# Allegro board nu_2000_main_211102_02.brd (continued)
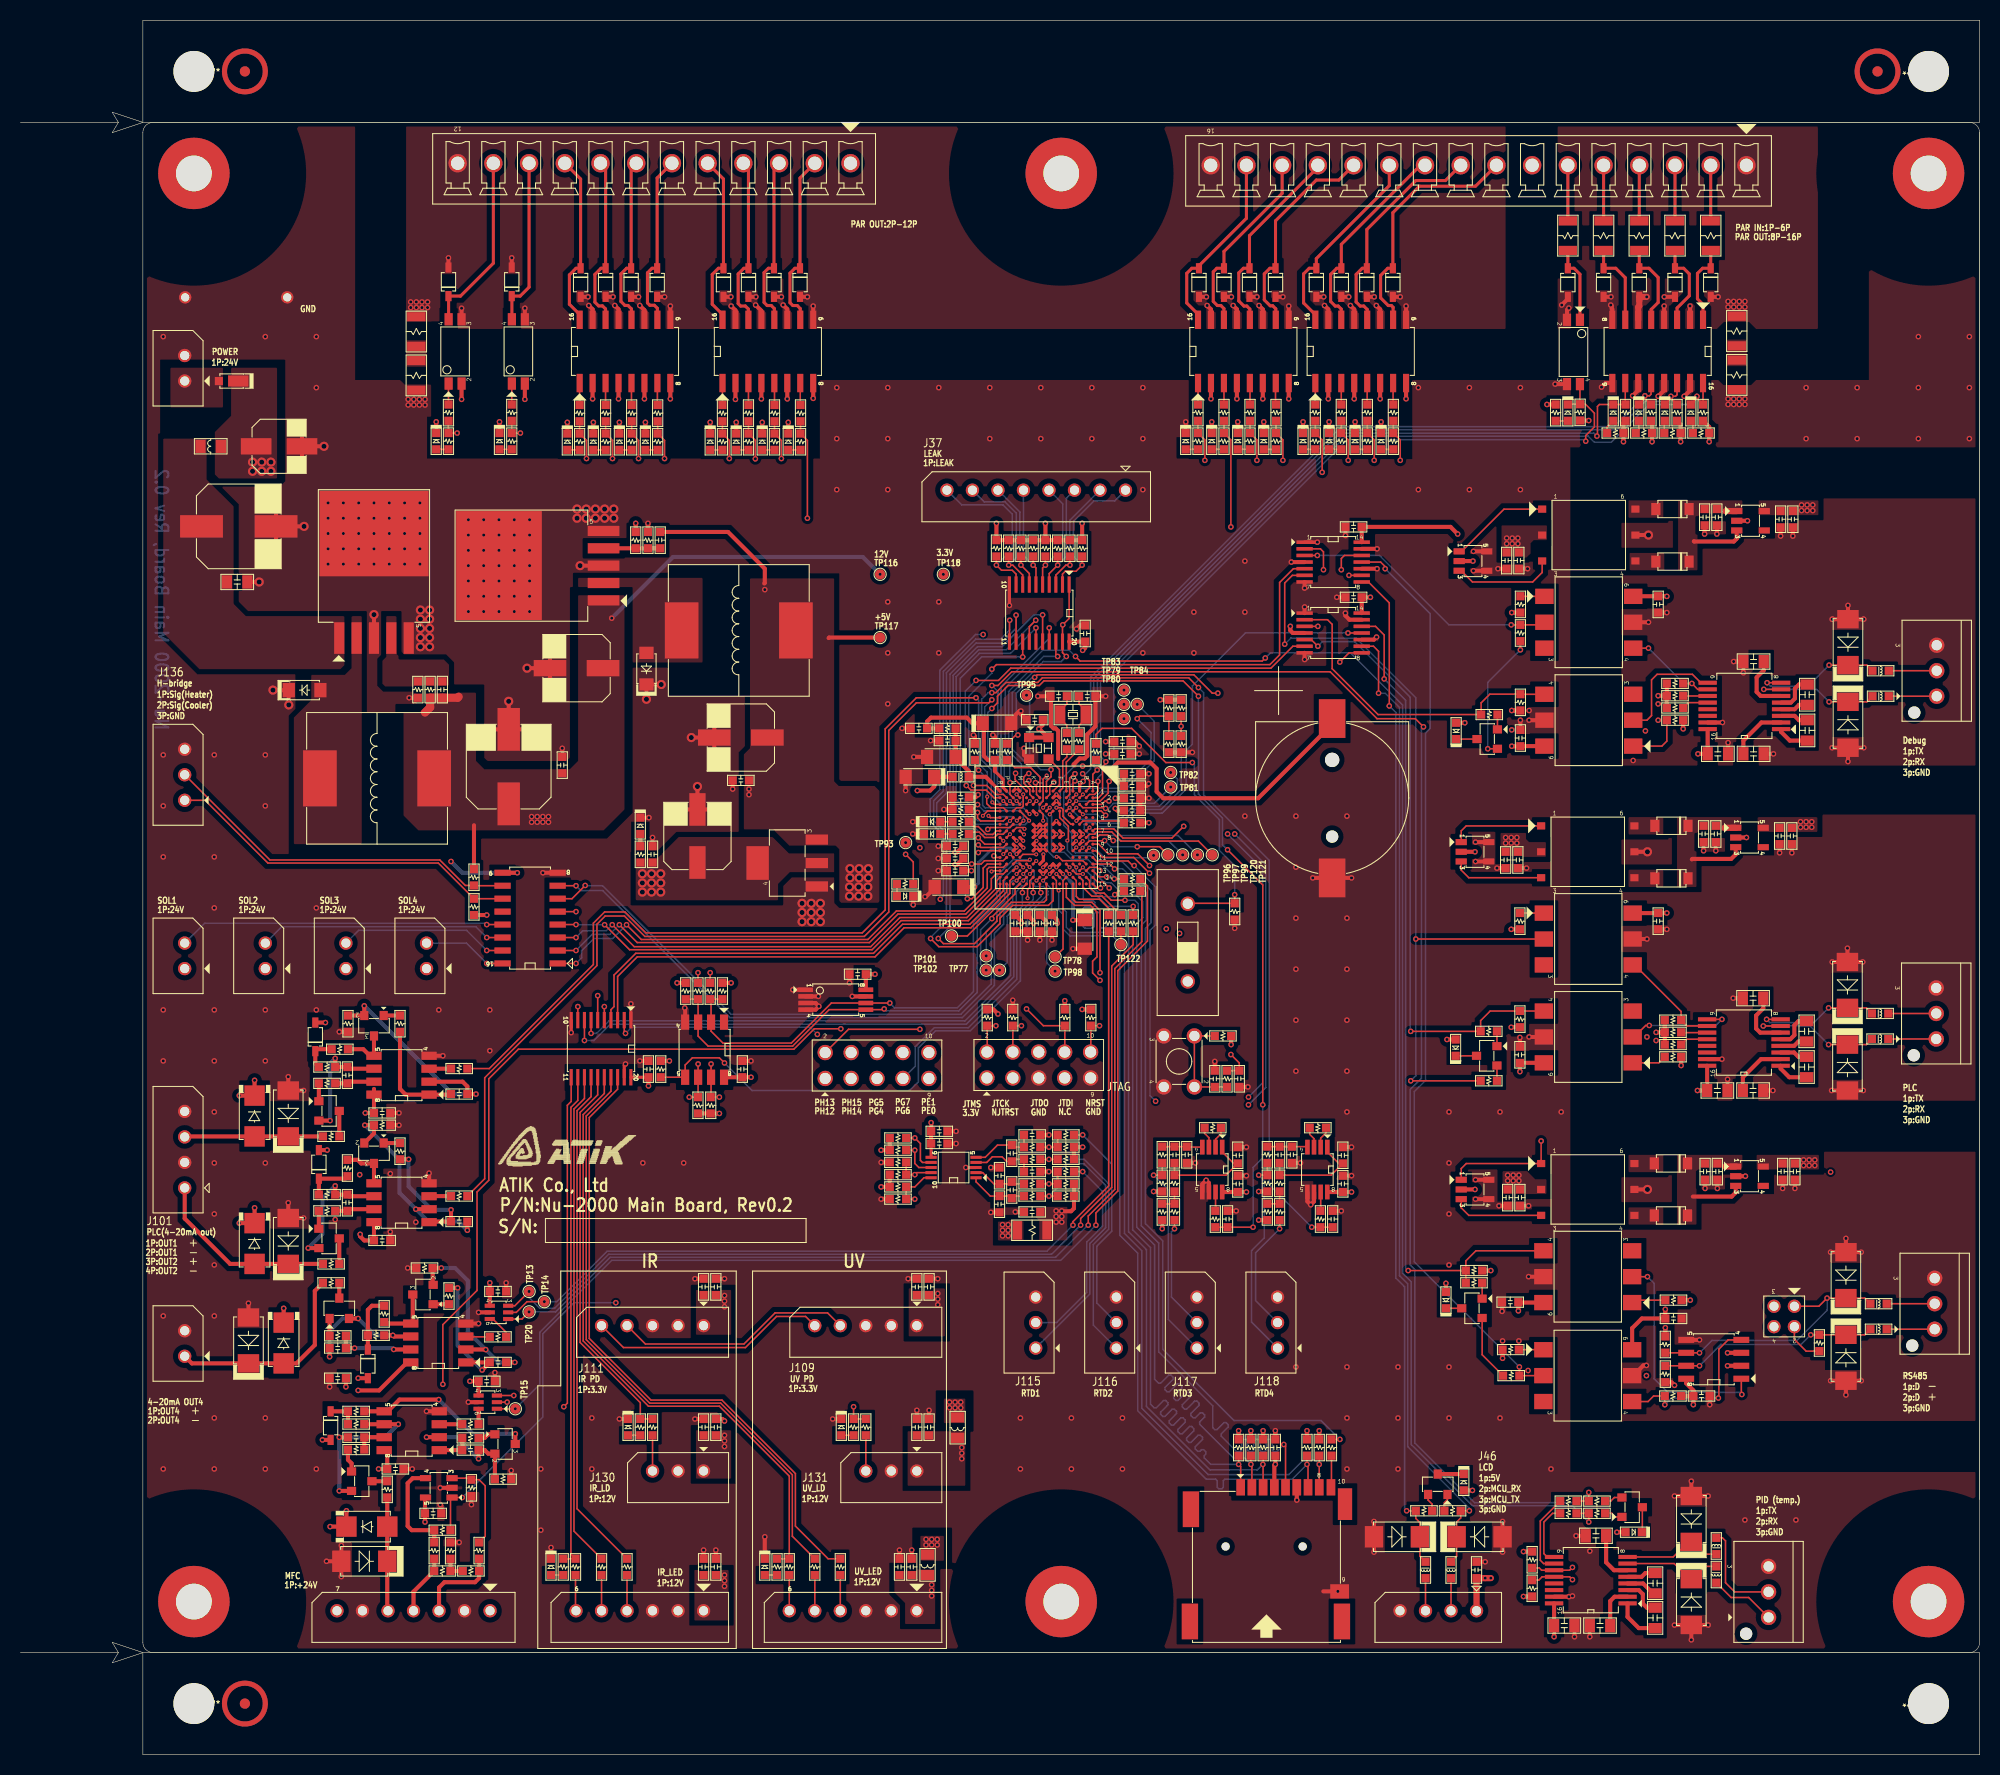
[diagram p0: board, top side]
## Routing (per net, layer and track width the routed paths; a pad name or vN(x,y) marks a point on that pad's centre or on a via; arc(x,y) is an arc through that point) (continued)
RS232_TX1_5V: length 26.4
  TOP w0.15: U112.2 149.1,110.75 R363.2 v1(146.1,110.75) ; U87.3 v1(127.1,117.55)
  BOTTOM w0.15: v1(127.1,117.55) 133.2,117.55 140,110.75 v1(146.1,110.75)
RS232_TX2: length 55.2
  TOP w0.15: U1.P2 96.33,94.12 95.58,94.12 94.7,95 v1(93.4,95) ; v1(95.2,106.4) 95.65,106.85 122.45,106.85 123.4,107.8 123.4,114.9 124.75,116.25 U87.5
  BOTTOM w0.15: v1(93.4,95) 92.95,95.45 92.95,103.75 95.2,106 v1(95.2,106.4)
RS232_TX2_5V: length 80.9
  TOP w0.15: U87.6 124.65,115.6 123.9,114.85 v1(123.9,108.85) ; v1(136.75,79.95) U116.2 ; R367.2 v1(136.25,66.05)
  BOTTOM w0.15: v1(136.25,66.05) 136.75,66.55 v1(136.75,79.95) 136.75,103.6 130.9,109.45 124.5,109.45 v1(123.9,108.85)
RS232_TX3: length 73.1
  TOP w0.15: U1.R12 94.75,87.3 94.35,86.9 94.35,85 93.25,83.9 v1(92.8,83.9) ; U87.9 v1(130.2,115.6)
  L3-INT1 w0.15: v1(113.6,80.5) 112.7,81.4 112.7,88.45 129.9,105.65 129.9,109.3 128.4,110.8 128.4,113.8 v1(130.2,115.6)
  L4-INT2 w0.15: v1(113.6,80.5) 107.05,80.5 104.15,83.4 93.3,83.4 v1(92.8,83.9)
RS232_TX3_5V: length 99.5
  TOP w0.15: v1(135.85,23.9) R355.2 136.75,23.15 137.15,22.75 D88.2 137.15,19.45 L12.1 ; U87.8 132.1,114.95 134.15,112.9 v1(134.15,102.8)
  BOTTOM w0.15: v1(134.15,102.8) 134.8,102.15 134.8,46.7 135.65,45.85 135.65,24.1 v1(135.85,23.9)
RS232_TX4: length 150.5
  TOP w0.15: U1.N3 v2(96.97,93.47) ; v1(137.5,100.75) 136.7,101.55 132.95,101.55 128.35,106.15 97.15,106.15 95.8,104.8 v1(95.2,104.8) ; v1(153.7,25.7) R359.2 R46.1
  BOTTOM w0.15: v1(153.7,25.7) 152.7,24.7 142.5,24.7 136.65,30.55 136.65,47.55 136.2,48 136.2,65.2 137.3,66.3 137.3,100.55 v1(137.5,100.75) ; v1(95.2,104.8) 95.8,104.2 95.8,97.9 96.1,97.6 96.1,94.35 v2(96.97,93.47)
RS485_RX: length 44
  TOP w0.15: U88.11 v1(130.1,109.95) ; U1.C10 v2(104.1,88.9)
  BOTTOM w0.15: v2(104.1,88.9) 104.7,89.5 104.7,90.25 104.25,90.7 104.25,91.2 104.4,91.35 105.3,91.35 105.7,90.95 108,90.95 109.35,92.3 111.9,92.3 114.25,94.65 114.25,98.45 114.85,99.05 114.85,104.75 120.05,109.95 v1(130.1,109.95)
RS485_RX_5V: length 81.6
  TOP w0.15: U121.4 142.64,49.39 141.65,48.4 R474.2 ; U88.12 132.8,110.6 133.65,109.75 v1(133.65,105.45) ; R474.2 v1(136,47.45) ; R474.2 R372.2
  BOTTOM w0.15: v1(133.65,105.45) 135.75,103.35 135.75,47.7 v1(136,47.45)
RS485_TX: length 45.2
  TOP w0.15: U1.A7 105.3,90.75 107.15,90.75 108.05,89.85 112.85,89.85 v1(114,91) ; v1(129.45,116.15) 129.45,117.25 129.75,117.55 U87.12
  L3-INT1 w0.15: v1(129.45,116.15) 128.05,114.75 128.05,110.7 128.75,110 128.75,105.75 v1(114,91)
RS485_TX_5V: length 90.9
  TOP w0.15: U120.2 R371.2 v1(146.9,38) ; v1(133.75,116.25) 133.75,116.45 133.3,116.9 U87.11
  BOTTOM w0.15: v1(146.9,38) 136.6,48.3 136.6,65 137.7,66.1 137.7,100.15 138.15,100.6 138.15,111.85 v1(133.75,116.25)
RSVD_1: length 12.1
  TOP w0.15: R39.1 v1(102.85,116.6) 102.45,116.6 101.47,115.62 U7.3
  BOTTOM w0.15: v1(102.85,116.6) 102.85,121 J37.2
RSVD_2: length 11.1
  TOP w0.15: R38.1 v1(101.65,116.6) 100.83,115.78 U7.4
  BOTTOM w0.15: v1(101.65,116.6) 102.5,117.45 102.5,123.15 J37.3
RSVD_3: length 11.5
  TOP w0.15: R37.1 v1(100.45,116.6) 100.17,116.33 U7.5
  BOTTOM w0.15: J37.4 102.15,122.6 102.15,118.3 v1(100.45,116.6)
RSVD_4: length 10.6
  TOP w0.15: U7.6 99.53,116.33 v1(99.25,116.6) R36.1
  BOTTOM w0.15: v1(99.25,116.6) 98.3,117.55 J37.5
RSVD_5: length 14.2
  TOP w0.15: R34.1 v1(96.85,116.6) 97.25,116.6 98.22,115.62 U7.8
  BOTTOM w0.15: v1(96.85,116.6) 97.6,117.35 97.6,121.7 96.5,122.8 94.45,122.8 J37.7
RSVD_6: length 17.2
  TOP w0.15: 97.58,114.7 97.58,115.72 97.2,116.1 96.15,116.1 v1(95.65,116.6) R33.1
  BOTTOM w0.15: J37.8 92.25,122.5 96.3,122.5 97.2,121.6 97.2,118.15 v1(95.65,116.6)
RTD_SCK: length 88.9
  TOP w0.15: R157.1 v1(87.65,59.25) 87.65,57.95 88.05,57.55 U44.8 ; U1.H4 v2(100.88,92.83)
  L3-INT1 w0.15: v1(87.65,59.25) 87.1,59.8 87.1,62.02 88.18,63.1 119,63.1 v1(120.35,64.45)
  L4-INT2 w0.15: v1(118.3,90.25) 117.7,89.65 110.52,89.65 108.62,91.55 104.3,91.55 103.75,91 102.7,91 v2(100.88,92.83)
  BOTTOM w0.15: v1(118.3,90.25) 121.75,86.8 121.75,65.85 v1(120.35,64.45)
RTD_SDA: length 89.7
  TOP w0.15: v2(100.22,91.55) 100.22,92.17 U1.J4 ; U44.7 88.4,58.05 88.2,58.25 88.2,59.9 v1(87.65,60.45) R156.1
  L3-INT1 w0.15: v1(87.65,60.45) 87.65,62.15 88.3,62.8 119.45,62.8 v1(120.35,63.7)
  L4-INT2 w0.15: v2(100.22,91.55) 101.12,90.65 103.9,90.65 104.5,91.25 108.5,91.25 110.45,89.3 118.05,89.3 v1(119,90.25)
  BOTTOM w0.15: v1(120.35,63.7) 122.05,65.4 122.05,87.2 v1(119,90.25)
RX1: length 12.9
  TOP w0.15: L9.1 180.95,106.8 D84.2 v1(177.25,106.8) ; U106.8 v1(171.18,105.08)
  BOTTOM w0.15: v1(177.25,106.8) 175.2,104.75 171.5,104.75 v1(171.18,105.08)
RX2: length 12.7
  TOP w0.15: v1(177.2,73.2) D86.2 180.9,73.2 L11.1 ; 172.5,72.08 v1(171.12,72.08)
  BOTTOM w0.15: v1(171.12,72.08) 171.45,71.75 175.75,71.75 v1(177.2,73.2)
RX4: length 9.8
  TOP w0.15: L15.1 165.1,19.65 163.9,20.85 D90.2 163.45,20.85 161.97,19.38 U19.8
SD_CLK: length 82.8
  TOP w0.15: J33.5 123.98,30.23 v1(123.81,30.4) ; v1(107.22,86.83) 106.75,87.3 U1.A12
  BOTTOM w0.15: v1(107.22,86.83) 108.03,86.83 110.35,84.5 110.35,81.8 109.85,81.3 109.85,51.85 111.55,50.15 111.55,39.48 116.85,34.19 116.85,32.05 117.05,31.85 117.26,31.85 117.95,32.54 118.16,32.54 118.37,32.33 118.37,32.12 117.68,31.43 117.68,31.22 119.2,29.7 119.53,29.7 119.68,29.85 119.68,30.75 119.83,30.9 120.13,30.9 120.28,30.75 120.28,29.85 120.43,29.7 120.73,29.7 120.88,29.85 120.88,30.75 121.03,30.9 121.33,30.9 121.48,30.75 121.48,29.85 121.63,29.7 121.93,29.7 122.08,29.85 122.08,30.75 122.23,30.9 122.53,30.9 122.68,30.75 122.68,29.85 122.83,29.7 123.11,29.7 v1(123.81,30.4)
SD_CMD: length 82.8
  TOP w0.15: J33.3 121.78,28.43 v1(121.76,28.45) 121.78,28.48 R15.1 ; U1.D12 v2(103.47,86.97)
  BOTTOM w0.15: v2(103.47,86.97) 103.47,86.38 104.15,85.7 104.15,83.83 104.3,83.68 105.15,83.68 105.3,83.53 105.3,83.23 105.15,83.08 104.3,83.08 104.15,82.93 104.15,81.17 104.3,81.03 105.07,81.03 105.22,81.17 105.22,82.4 105.37,82.55 105.67,82.55 105.82,82.4 105.82,81.17 105.97,81.03 106.27,81.03 106.42,81.17 106.42,82.4 106.57,82.55 106.87,82.55 107.02,82.4 107.02,81.17 107.17,81.03 107.67,81.03 108.6,80.1 108.6,51.25 110.35,49.5 110.35,34.13 116.58,27.9 121.21,27.9 v1(121.76,28.45)
SD_D0: length 82.8
  TOP w0.15: J33.7 126.19,28.35 v1(126.08,28.45) R16.1 ; v2(101.75,84.7) 101.53,84.92 101.53,85.67 U1.G14
  BOTTOM w0.15: v2(101.75,84.7) 101.75,82.8 102.15,82.4 102.15,80.95 102.85,80.25 107.05,80.25 107.75,79.55 107.75,50.9 109.5,49.15 109.5,33.7 116.2,27 117.13,27 117.28,26.85 117.28,26.2 117.43,26.05 117.73,26.05 117.88,26.2 117.88,26.85 118.03,27 124.64,27 v1(126.08,28.45)
SD_D1: length 82.8
  TOP w0.15: J33.8 v1(127.28,28.45) R17.1 ; U1.F14 v2(101.53,86.33)
  BOTTOM w0.15: v2(101.53,86.33) 102.17,85.67 102.17,82.92 102.5,82.6 102.5,81.1 103,80.6 107.4,80.6 108.2,79.8 108.2,51.1 109.9,49.4 109.9,33.95 116.4,27.45 124.3,27.45 125.75,28.9 126.83,28.9 v1(127.28,28.45)
SD_D2: length 82.8
  TOP w0.15: J33.1 119.58,28.25 v1(119.39,28.45) R13.1 ; v1(108.25,83.75) 106.9,83.75 106.2,84.45 105.38,84.45 104.78,85.05 104.78,85.67 U1.B14
  BOTTOM w0.15: v1(108.25,83.75) 109.2,83.75 109.55,83.4 109.55,82.25 109,81.7 109,51.45 110.75,49.7 110.75,34.35 111.1,34 111.32,34 112.03,34.71 112.24,34.71 112.45,34.5 112.45,34.29 111.74,33.57 111.74,33.36 111.95,33.15 112.16,33.15 112.88,33.86 113.09,33.86 113.3,33.65 113.3,33.44 112.59,32.72 112.59,32.51 112.8,32.3 113.01,32.3 113.73,33.01 113.94,33.01 114.15,32.8 114.15,32.59 113.44,31.88 113.44,31.66 113.65,31.45 113.86,31.45 114.57,32.16 114.79,32.16 115,31.95 115,31.74 114.29,31.03 114.29,30.81 114.5,30.6 114.71,30.6 115.42,31.32 115.63,31.32 115.85,31.1 115.85,30.89 115.13,30.18 115.13,29.97 115.37,29.73 115.58,29.73 115.75,29.89 115.96,29.89 116.17,29.68 116.17,29.47 116.01,29.31 116.01,29.09 116.65,28.45 v1(119.39,28.45)
SD_D3: length 82.9
  TOP w0.15: R14.1 v1(120.58,28.45) 120.69,28.35 J33.2 ; U1.B13 104.78,86.97 105.47,86.97 v1(105.78,86.67)
  BOTTOM w0.15: v1(120.58,28.45) 119.94,29.1 118.85,29.1 115.56,32.39 115.56,32.6 116.05,33.09 116.05,33.3 115.84,33.51 115.63,33.51 115.14,33.02 114.93,33.02 114.72,33.23 114.72,33.45 115.5,34.23 115.5,34.45 115.29,34.66 115.08,34.66 114.29,33.87 114.08,33.87 113.87,34.08 113.87,34.29 114.66,35.08 114.66,35.29 114.44,35.51 114.23,35.51 113.44,34.72 113.23,34.72 113.02,34.93 113.02,35.14 113.81,35.93 113.81,36.14 113.59,36.36 113.38,36.36 112.59,35.57 112.38,35.57 112.17,35.78 112.17,35.99 112.96,36.78 112.96,36.99 112.75,37.2 112.53,37.2 111.75,36.42 111.53,36.42 111.15,36.8 111.15,49.95 109.4,51.7 109.4,81.45 110,82.05 110,83.6 109.3,84.3 108.05,84.3 106.9,85.45 106.25,85.45 105.78,85.92 v1(105.78,86.67)
SD_DETECT: length 85.7
  TOP w0.15: U1.D1 103.15,95.25 v1(103.35,95.45) ; R24.2 v1(129.31,30.9)
  BOTTOM w0.15: v1(103.35,95.45) 102.25,94.35 102.25,91.1 103.05,90.3 103.05,88.75 103.4,88.4 105.05,88.4 105.9,87.55 107.95,87.55 110.8,84.7 110.8,81.55 110.25,81 110.25,52.05 111.95,50.35 111.95,39.73 118.94,32.75 127.46,32.75 v1(129.31,30.9)
SOL_1: length 50.7
  TOP w0.15: v1(59.4,81.35) 60.85,79.9 83.05,79.9 85.85,82.7 92.5,82.7 94.75,84.95 94.75,86.8 94.92,86.97 96.33,86.97 U1.P12 ; U14.1 v1(54.45,77.56)
  BOTTOM w0.15: v1(59.4,81.35) 58.05,80 56.2,80 55,78.8 55,78.11 v1(54.45,77.56)
SOL_2: length 49.2
  TOP w0.15: U1.P13 96.33,86.33 95.62,86.33 95.15,85.85 95.15,84.9 92.65,82.4 86,82.4 83.2,79.6 60.45,79.6 v1(58.7,81.35) ; U14.2 v1(54.45,78.83)
  BOTTOM w0.15: v1(54.45,78.83) 56.02,80.4 57.75,80.4 v1(58.7,81.35)
SOL_3: length 48
  TOP w0.15: v1(58,81.35) 60.15,79.2 83.34,79.2 86.19,82.05 92.75,82.05 95.65,84.95 95.65,85.65 U1.R14 ; U14.3 v1(54.45,80.09)
  BOTTOM w0.15: v1(58,81.35) 57.4,80.75 55.1,80.75 v1(54.45,80.09)
SOL_4: length 47.3
  TOP w0.15: U14.4 v1(54.45,81.36) ; v1(57.25,81.35) 59.7,78.9 83.46,78.9 86.31,81.75 92.9,81.75 96,84.85 U1.R15
  BOTTOM w0.15: v1(54.45,81.36) 54.47,81.35 v1(57.25,81.35)
SPI_MOSI: length 105.4
  TOP w0.15: v1(49.85,45.4) 48.45,44 U12.3 ; v1(103.9,51.9) 103.9,52.55 106.95,55.6 106.95,77.3 109.05,79.4 R495.2 ; U9.3 v1(48.35,35.2)
  L3-INT1 w0.15: v1(48.35,35.2) 48.9,35.2 50.5,36.8 50.5,44.75 v1(49.85,45.4)
  BOTTOM w0.15: v1(103.9,51.9) 101.05,49.05 57.65,49.05 52.35,43.75 50.9,43.75 49.85,44.8 v1(49.85,45.4)
SPI_SCK: length 102.1
  TOP w0.15: U9.2 v1(47.7,34.55) ; v1(51.35,44.4) 49.65,44.4 48.6,43.35 U12.2 ; v1(103.15,51.9) 103.15,52.25 106.65,55.75 R493.2
  L3-INT1 w0.15: v1(47.7,34.55) 48.72,34.55 50.85,36.68 50.85,43.9 v1(51.35,44.4)
  BOTTOM w0.15: v1(51.35,44.4) 52.55,44.4 57.5,49.35 100.6,49.35 v1(103.15,51.9)
SPI_SEL_CH1-: length 105.5
  TOP w0.15: U9.1 v1(48.5,33.9) ; R496.1 109.76,85.84 110.45,85.15 110.45,79.75 107.55,76.85 107.55,55.25 105.4,53.1 v1(105.4,51.9)
  BOTTOM w0.15: v1(48.5,33.9) 50.9,36.3 50.9,41.4 57.95,48.45 101.95,48.45 v1(105.4,51.9)
SPI_SEL_CH2-: length 95.6
  TOP w0.15: v1(104.65,51.9) 104.65,52.8 107.25,55.4 107.25,77.05 109.9,79.7 109.9,84.5 R497.1 ; U12.1 49.15,42.7 v1(49.85,43.4)
  BOTTOM w0.15: v1(104.65,51.9) 104.6,51.9 101.45,48.75 57.8,48.75 52.45,43.4 v1(49.85,43.4)
SYS_JTCK_SWCLK: length 29.6
  TOP w0.15: v1(106.7,84.95) 106.1,85.55 105.55,85.55 U1.A14 ; J34.4 97.26,71.44 R25.2 v1(98.1,71.45)
  L3-INT1 w0.15: v1(106.7,84.95) 106.7,84 107.35,83.35 107.35,81 103.65,77.3 103.65,75.94 103.5,75.79 102.8,75.79 102.65,75.64 102.65,75.34 102.8,75.19 103.5,75.19 103.65,75.04 103.65,74.45 102.85,73.65 102.85,71.85 102.15,71.15 101.65,71.15 101.5,71.3 101.5,72.2 101.35,72.35 101.05,72.35 100.9,72.2 100.9,71.3 100.75,71.15 98.4,71.15 v1(98.1,71.45)
SYS_JTDI: length 29.6
  TOP w0.15: J34.8 102.35,68.88 R22.1 100.25,71.45 v1(98.6,73.1) ; U1.A13 105.7,86.05 v1(106.45,86.05)
  L3-INT1 w0.15: v1(106.45,86.05) 106.1,86.05 105.25,85.2 105.25,79.9 103.05,77.7 102.84,77.7 102.55,77.99 102.34,77.99 102.13,77.78 102.13,77.56 102.41,77.28 102.41,77.06 101.58,76.22 101.58,74.67 101.33,74.43 101.11,74.43 100.25,75.29 100.04,75.29 99.83,75.08 99.83,74.87 100.69,74 100.69,73.79 100,73.1 v1(98.6,73.1)
SYS_JTDO_SWO: length 29.5
  TOP w0.15: U1.A10 105.4,88.6 106.05,87.95 109.1,87.95 v1(110.65,86.4)
  L3-INT1 w0.15: J34.6 101.03,70.1 102.8,70.1 104.7,72 104.7,77.35 110.65,83.3 v1(110.65,86.4)
SYS_JTMS_SWDIO: length 29.6
  TOP w0.15: J34.2 94.75,68.9 R21.1 v1(95.6,71.45) ; v1(105.85,84.95) 105.5,84.95 U1.A15
  L3-INT1 w0.15: v1(95.6,71.45) 96.3,72.15 96.59,72.15 96.74,72 96.74,71.15 96.89,71 97.19,71 97.34,71.15 97.34,72 97.49,72.15 99.8,72.15 102.05,74.4 102.05,76.2 105.7,79.85 105.7,81.01 105.85,81.16 106.6,81.16 106.75,81.31 106.75,81.61 106.6,81.76 105.85,81.76 105.7,81.91 105.7,82.21 105.85,82.36 106.6,82.36 106.75,82.51 106.75,82.81 106.6,82.96 105.85,82.96 105.7,83.11 105.7,84.8 v1(105.85,84.95)
SYS_NJTRST: length 34.3
  TOP w0.15: v1(110.65,87.15) 109.5,88.3 106.62,88.3 105.67,89.25 U1.A9
  L3-INT1 w0.15: J34.3 98.55,67.62 98.55,69.4 99.75,70.6 102.4,70.6 103.4,71.6 103.4,73.35 104.15,74.1 104.15,77.3 110.1,83.25 110.1,86.6 v1(110.65,87.15)
TEMP0: length 35.4
  TOP w0.15: U1.K12 v2(99.55,87.6)
  L3-INT1 w0.15: v2(99.55,87.6) 99.55,87.7 99.1,88.15 98.75,88.15 98,87.4 97.4,87.4 94.1,84.1 94.1,81.25 85.35,72.5 80.95,72.5 77.85,69.4 77.85,67.3 J121.1
TEMP1: length 36.5
  TOP w0.15: J121.2 81.15,71.1 v1(88.15,71.1) ; U1.E12 v2(102.83,86.97)
  L3-INT1 w0.15: v1(88.15,71.1) 88.15,72.05 92.4,76.3 98.25,76.3 102.55,80.6 102.55,84.1 103.3,84.85 103.3,86.5 v2(102.83,86.97)
TEMP2: length 35.7
  TOP w0.15: U1.E13 v2(102.83,86.33)
  L3-INT1 w0.15: v2(102.83,86.33) 102.83,84.88 100.45,82.5 98.1,82.5 87.65,72.05 87.65,65.75 87,65.1 82.59,65.1 J121.3
TEMP3: length 44.2
  TOP w0.15: v2(104.12,86.33) 103.47,86.33 U1.D13
  L3-INT1 w0.15: v2(104.12,86.33) 104.12,81.67 98.4,75.95 92.5,75.95 89.45,72.9 89.45,71.05 87.95,69.55 87.95,65.6 87.1,64.75 81.1,64.75 80.2,65.65 80.2,67.65 81.37,68.82 J121.4
TEMP4: length 26.2
  TOP w0.15: U1.K14 98.92,85.67 98.92,85.03 98.7,84.8 v2(98.7,83.95)
  L3-INT1 w0.15: J121.5 84.03,66.28 85.2,67.45 85.2,70.6 98.55,83.95 v2(98.7,83.95)
TEMP5: length 24.4
  TOP w0.15: U1.K13 v2(98.92,86.33)
  L3-INT1 w0.15: v2(98.92,86.33) 98.92,85.58 98.55,85.2 98.15,85.2 97.5,84.55 97.5,83.35 83.95,69.8 J121.6
TEMP6: length 26.7
  TOP w0.15: v1(100,84.5) 99.9,84.6 U1.J15
  BOTTOM w0.15: v1(100,84.5) 100,84.1 97.65,81.75 97.65,76 92.9,71.25 89.55,71.25 87.7,69.4 87.7,67.49 J121.7
TEMP7: length 24.7
  TOP w0.15: U1.J14 v2(99.58,85.67)
  L3-INT1 w0.15: J121.8 86.5,68.83 86.5,71.4 98,82.9 99.95,82.9 100.55,83.5 100.55,84.7 v2(99.58,85.67)
TEMP8: length 37.9
  TOP w0.15: U1.A4 105.92,92.5 v1(106.35,92.08)
  L3-INT1 w0.15: v1(106.35,92.08) 106.35,90.95 105.65,90.25 105.65,87.55 104.9,86.8 104.9,81.45 98.75,75.3 92.75,75.3 90.15,72.7 90.15,67.4 J121.9
TEMP9: length 37.5
  TOP w0.15: v1(106.67,93.47) 106.3,93.47 105.97,93.15 U1.A3
  L3-INT1 w0.15: v1(106.67,93.47) 106.08,93.47 105.7,93.1 105.7,90.75 105.35,90.4 105.35,87.7 104.6,86.95 104.6,81.6 98.6,75.6 92.6,75.6 89.8,72.8 89.8,69.59 J121.10
TX1: length 13.1
  TOP w0.15: L8.1 180.95,103.2 D83.2 v1(177.25,103.2) ; U106.7 v1(170.85,104.42)
  BOTTOM w0.15: v1(170.85,104.42) 176.03,104.42 v1(177.25,103.2)
TX2: length 13.3
  TOP w0.15: L10.1 180.9,69.6 D85.2 v1(177.2,69.6) ; U109.7 v1(170.8,71.42)
  BOTTOM w0.15: v1(170.8,71.42) 175.38,71.42 v1(177.2,69.6)
TX4: length 9.8
  TOP w0.15: U19.7 162.07,18.73 163.6,17.2 D89.2 163.85,17.2 165.1,18.45 L14.1
UV_LD_ONOFF: length 53.8
  TOP w0.15: v2(94.88,92.03) 95.05,91.85 U1.R5 ; U125.5 v1(57.23,73.33)
  L3-INT1 w0.15: v2(94.88,92.03) 95.3,91.6 95.3,89.75 94.75,89.2 94.75,87 93.6,85.85 87.75,85.85 84.5,89.1 74,89.1 58.23,73.33 v1(57.23,73.33)
UV_LED_CUR_SEL1: length 88.9
  TOP w0.15: U1.A11 105.45,87.6 108.55,87.6 109,87.15 v1(109.15,87.15) ; v1(59.3,70.7) 59.17,70.83 U125.2
  L3-INT1 w0.15: v1(78.1,70.6) 77.5,70 77.5,66 79.05,64.45 110.85,64.45 v1(111.25,64.05)
  BOTTOM w0.15: v1(111.25,64.05) 110.7,64.6 110.7,80.8 111.25,81.35 111.25,85.05 v1(109.15,87.15) ; v1(78.1,70.6) 77.4,71.3 59.9,71.3 v1(59.3,70.7)
UV_LED_CUR_SEL2: length 46.6
  TOP w0.15: U125.3 58.52,76.28 60.45,78.2 83.75,78.2 86.6,81.05 93.15,81.05 96.65,84.55 U1.P15
UV_LED_ONOFF: length 47.6
  TOP w0.15: U1.P14 96.33,85.67 96.33,84.67 93.05,81.4 86.45,81.4 83.61,78.55 60.3,78.55 58.17,76.42 58.17,73.33 57.88,73.03 U125.4
VISO1: length 10.8
  TOP w0.4: v1(161.35,113.54) 161.34,113.55 C238.2 158.06,113.55 U112.6 ; R439.1 R438.1 ; R439.1 R462.1 ; R439.1 v1(160.5,103.8) ; R464.2 v1(162.95,100.55) ; U106.16 C213.1 v1(164.4,98.1)
  vias: v1(174.55,122.5) v1(174.55,121.95) v1(175.1,122.5) v1(175.1,121.95) v1(175.65,122.5) v1(175.65,121.95)
VISO2: length 10.8
  TOP w0.4: v1(160.3,70.8) R468.1 ; R468.1 R466.1 ; R468.1 R467.1 ; v1(161.35,82.5) C243.2 160.49,82.49 U116.6 ; R470.2 v1(162.75,67.55) ; U109.16 C224.1 v1(164.35,65.1)
  vias: v1(174.45,91.45) v1(174.45,90.9) v1(175,91.45) v1(175,90.9) v1(175.55,91.45) v1(175.55,90.9)
VISO3: length 15.1
  TOP w0.4: C190.2 163.95,35.7 163.25,36.4 U86.8 ; C190.2 R472.1 ; C190.2 v1(163.95,34.3) ; U86.2 v1(167.3,38.11) ; R475.2 v1(163.65,44.55) ; U120.6 157.95,41.8 158.9,42.75 C254.2 v1(161.2,43.65) ; U86.3 v1(167.3,39.39) ; R429.2 v1(161.2,41.85)
  vias: v1(174.75,58.3) v1(174.75,57.75) v1(175.3,58.3) v1(175.3,57.75) v1(175.85,58.3) v1(175.85,57.75)
VREF: length 15.7
  TOP w0.3: 95.5,96.4 96.3,95.6 96.3,94.8 U1.P1
  TOP w0.4: R12.2 C26.2 88.85,101.27 89.23,101.65 92.75,101.65 93.3,101.1 C25.1 94.42,100.98 94.42,97.9 94.82,97.5 C7.2 95.5,96.4
VRTD: length 9.2
  TOP w0.4: R246.2 R247.2 v1(104.1,59.55) ; R346.2 v1(121.35,55.2) ; v1(102.05,53.3) 102.08,53.27 102.97,53.27 103.25,53.55 R158.2 R160.2 ; R232.2 v1(111.05,55.2) ; R233.2 v1(111.9,51.55) ; R347.2 v1(121.35,52.4)
  vias: v1(101.5,53.3) v1(101.5,52.75) v1(101.5,52.2) v1(102.05,52.75) v1(102.05,52.2)
N184005: length 9.7
  TOP w0.15: J47.2 168,15.95 167.1,16.85 167.1,20.95 166.8,21.25 L15.2
N184734: length 4.7
  TOP w0.15: L8.2 J44.1
N184744: length 4.7
  TOP w0.15: L9.2 J44.2
N184830: length 3.2
  TOP w0.15: J46.3 L12.2
N188924: length 4.7
  TOP w0.15: L10.2 J45.1
N188950: length 4.7
  TOP w0.15: J45.2 L11.2
N190845: length 3.2
  TOP w0.15: J46.2 L13.2
N191518: length 6.5
  TOP w0.15: J47.1 169.37,15.4 167.65,15.4 L14.2
N249473: length 8.1
  TOP w0.15: U19.10 149.28,18.73 148.95,19.05 148.95,22.9 R46.2
N249553: length 6.2
  TOP w0.15: R48.2 150.15,23.65 149.3,22.8 149.3,19.7 149.62,19.38 U19.9
N249571: length 4.5
  TOP w0.4: C62.2 158.6,12.4 157.5,13.5 U19.1
N249607: length 4.3
  TOP w0.4: U19.2 156.22,15.47 155.8,15.05 C66.2
N249615: length 4
  TOP w0.4: C62.1 159.4,14.4 159,14.8 159,15.72 158.6,16.12 U19.3
N249631: length 3.1
  TOP w0.4: 157.5,16.77 159.03,16.77 160,15.8 C64.2
N249715: length 2.9
  TOP w0.4: U19.5 158.88,17.43 159.25,17.8 C64.1
N6733103: length 3.9
  TOP w0.15: U1.G1 101.83,95.08 101.83,96.58 100.8,97.6 Y2.3
N6733621: length 4.6
  TOP w0.15: U1.E1 102.5,97.3 R2.1
N6733629: length 4.1
  TOP w0.15: R2.2 103.75,100.9 104.4,101.55 Y1.1 104.4,102.35 103.75,103 C1.1
N6733665: length 4.1
  TOP w0.15: C4.1 102.55,103 101.9,102.35 Y1.2 101.9,101.55 102.55,100.9 R6.2
N6733705: length 4.4
  TOP w0.15: R6.1 102.55,97.8 102.15,97.4 102.15,94.75 U1.F1
N6737165: length 3.1
  TOP w0.15: R24.1 128.49,26.25 J33.10
N6752441: length 1.2
  TOP w0.15: R10.2 D27.1
N6752445: length 1.2
  TOP w0.15: R11.2 D28.1
N6756994: length 8.7
  TOP w0.3: U1.M10 v2(97.62,88.28)
  TOP w0.4: C6.1 v1(93.5,85.05)
  BOTTOM w0.3: v1(93.5,85.05) 93.9,85.45 93.9,87.45 95.3,88.85 97.05,88.85 v2(97.62,88.28)
N6757022: length 6.5
  TOP w0.3: U1.F13 v2(102.17,86.33)
  TOP w0.4: C5.1 v1(103.15,81.8)
  BOTTOM w0.3: 102.87,85.63 v2(102.17,86.33)
  BOTTOM w0.4: 102.87,85.63 103.15,85.35 v1(103.15,81.8)
N6757140: length 32.6
  TOP w0.3: U1.C1 103.8,95.05 v1(104.15,95.4)
  TOP w0.4: BT1.1 128.55,101 121.3,93.75 112,93.75 111.35,94.4 111.35,96.65 110.75,97.25 107.55,97.25 106.85,96.55 v1(106.55,96.55)
  L3-INT1 w0.3: v1(104.15,95.4) 104.6,95.4 105.15,95.95 105.95,95.95 v1(106.55,96.55)
N6884274: length 14.5
  TOP w0.15: U1.G4 v2(100.88,92.17) ; R497.2 107.6,84.65 v1(107.25,84.3)
  BOTTOM w0.15: v1(107.25,84.3) 107.05,84.1 106.05,84.1 105.25,84.9 105.25,87.1 104.6,87.75 103,87.75 102.3,88.45 101.3,88.45 101.05,88.7 101.05,92 v2(100.88,92.17)
N6887735: length 10.2
  TOP w0.15: R1.1 SW1.1 SW1.2 C3.2 R4.2
N6927609: length 5.3
  TOP w0.15: R3.2 97.45,96.75 99,96.75 99.92,95.83 99.92,94.47 U1.J1
N7312910: length 21.6
  TOP w0.15: L16.1 180.75,41.15 D92.2 R428.1 v1(175.45,41.15) ; v1(164.55,38.11) U86.7 161.22,38.11 R430.2
  BOTTOM w0.15: v1(175.45,41.15) 174.5,40.2 166.63,40.2 v1(164.55,38.11)
N7312944: length 26.8
  TOP w0.15: JP1.1 176.25,43.95 v1(177.05,44.75) D93.2 180.75,44.75 L17.1 ; v1(164.55,39.39) U86.6 161.22,39.39 R429.1
  BOTTOM w0.15: v1(164.55,39.39) 165.76,40.6 174.1,40.6 177.05,43.55 v1(177.05,44.75)
N7329372: length 13.5
  TOP w0.15: TP121.1 115.45,89.55 107.85,89.55 106.95,90.45 105.5,90.45 105.28,90.22 104.78,90.22 U1.B8
N8040227: length 8
  TOP w0.3: R407.1 D121.2 164.85,145.7 164.35,145.2 164.35,142.7 164.9,142.16 164.9,140.65
N8040231: length 8.4
  TOP w0.3: U42.3 162.35,141.81 163.55,143 163.55,145.15 163,145.7 D122.2 R408.1
N8040235: length 8.4
  TOP w0.3: U42.5 159.81,141.66 160.5,142.35 160.5,144.8 159.6,145.7 D123.2 R409.1
N8040239: length 8.4
  TOP w0.3: 157.28,140.65 157.28,144.78 156.35,145.7 D124.2 R410.1
N8135647: length 11.1
  TOP w0.4: J119.5 35.95,14.18 D81.2 D77.1 R144.2
N8136179: length 20.2
  TOP w0.4: R151.2 28.85,45.45 28.85,40.15 27.05,38.35 D78.1 D82.2 16.8,38.35 J120.1
N8151003: length 3.7
  TOP w0.15: U44.9 87.85,57.05 v1(87.65,56.85) R162.1 R164.2
N8151007: length 4.9
  TOP w0.15: v1(87.65,54.45) R165.2 R163.1 87.65,55.65 88.55,56.55 U44.10
N8152151: length 29
  TOP w0.15: R158.1 v1(100.8,54.75) R334.2
  BOTTOM w0.15: v1(100.8,54.75) 101.55,55.5 101.55,56.85 102.6,57.9 104.25,57.9 106.35,55.8 106.35,51.65 104.8,50.1 104.8,45.15 J115.1
N8152275: length 2.9
  TOP w0.15: R336.1 R160.1 v1(100.8,55.95) R335.2
N8237232: length 18.4
  TOP w0.4: J101.1 16.1,52.55 20.55,48.1 D75.1 D79.2 R221.2
N8238172: length 13.6
  TOP w0.4: R229.2 D80.2 D76.1 16.15,60.6 J101.3
N8252476: length 1.3
  TOP w0.15: R494.2 TP122.1
N8333431: length 26.2
  TOP w0.15: R337.2 v1(100.8,58.35) R246.1
  BOTTOM w0.15: v1(100.8,58.35) 104.25,58.35 106.65,55.95 106.65,51.5 105.15,50 105.15,42.1 J116.1
N8333435: length 2.9
  TOP w0.15: R338.2 v1(100.8,59.55) R247.1 R339.1
N8340411: length 8.3
  TOP w0.15: TP78.1 102.17,78.97 102.17,85.67 U1.E14
N8343262: length 1.2
  TOP w0.15: R255.2 D60.1
N8354920: length 32.1
  TOP w0.15: v1(119,84.3) R374.1 114.44,83.45 SW2.2 ; R8.1 105.4,100 106,100.6 108.9,100.6 112.25,97.25 v1(114.85,97.25)
  BOTTOM w0.15: v1(114.85,97.25) 115.05,97.05 115.05,94.1 117.5,91.65 117.5,88.65 119,87.15 v1(119,84.3)
N8369370: length 1.5
  TOP w0.4: R265.1 U9.6
N8454919: length 5.8
  TOP w0.15: R334.1 97.35,54.75 C180.2 96.95,54.75 C179.2 95.05,54.75 93.65,56.15 U44.1
N8454923: length 5.3
  TOP w0.15: R335.1 97.35,55.95 C180.1 96.95,55.95 C181.2 95.4,55.95 94.3,57.05 U44.2
N8455459: length 20.4
  TOP w0.15: R336.2 v1(104.1,57.15)
  BOTTOM w0.15: J115.2 101.55,42.35 104.5,45.3 104.5,50.25 106.05,51.8 106.05,55.2 v1(104.1,57.15)
N8456453: length 6.4
  TOP w0.15: C182.2 R337.1 97.35,58.35 C184.2 96.65,58.15 96.2,58.6 95.25,58.6 94.7,58.05 U44.4
N8456457: length 6.5
  TOP w0.15: U44.5 94.55,58.55 95.75,59.75 C184.1 97.35,59.55 R338.1 C183.2
N8456560: length 21.8
  TOP w0.15: R339.2 v1(104.1,60.75)
  BOTTOM w0.15: J116.2 105.5,44.25 105.5,49.85 106.95,51.3 106.95,57.9 v1(104.1,60.75)
N8465176: length 20.8
  TOP w0.15: R342.2 R232.1 v1(111.05,56.8)
  BOTTOM w0.15: v1(111.05,56.8) 112.5,55.35 112.5,42.65 J117.1
N8465183: length 11.2
  TOP w0.15: R340.2 v1(113.1,51.55)
  BOTTOM w0.15: J117.2 112.8,44.85 112.8,51.25 v1(113.1,51.55)
N8465189: length 2.4
  TOP w0.15: R341.2 R340.1 R233.1
N8465270: length 10.3
  TOP w0.15: C155.2 R341.1 118.15,56.8 C156.2 118.9,57.95 117.78,59.08 117.78,59.55
N8465318: length 3.9
  TOP w0.15: R342.1 C155.1 C157.2 114.35,59.55 U66.4
N8466691: length 2.1
  TOP w0.15: U66.3 116.47,60.48 116.05,60.9 R344.2
N8466814: length 2.1
  TOP w0.15: U66.2 117.12,60.33 117.65,60.85 R344.1
N8466854: length 1.9
  TOP w0.15: U66.7 117.12,53.33 R345.2
N8472178: length 20.8
  TOP w0.15: R352.2 R346.1 v1(121.35,56.8)
  BOTTOM w0.15: J118.1 120.65,42.4 120.65,49.4 121.9,50.65 121.9,56.25 v1(121.35,56.8)
N8472182: length 2.4
  TOP w0.15: R348.2 R349.1 R347.1
N8472294: length 10.3
  TOP w0.15: C158.2 R348.1 128.45,56.8 C159.2 129.2,57.95 128.07,59.08 128.07,59.55
N8472330: length 11.9
  TOP w0.15: R349.2 v1(123.4,51.55)
  BOTTOM w0.15: v1(123.4,51.55) 121.05,49.2 121.05,44.5 J118.2
N8472342: length 2.1
  TOP w0.15: R350.2 126.35,60.8 126.78,60.38 126.78,59.55
N8472350: length 2.1
  TOP w0.15: R350.1 127.95,60.95 127.42,60.42 U67.2
N8472370: length 1.9
  TOP w0.15: U67.7 127.42,53.33 R351.2
N8472434: length 3.9
  TOP w0.15: U67.4 126.08,59.6 C160.2 C158.1 R352.1
N8479815: length 16.3
  TOP w0.15: U1.D4 v2(103.47,92.83)
  L3-INT1 w0.15: v1(108.15,104.35) 109,103.5 109,95.55 107.75,94.3 104.95,94.3 v2(103.47,92.83)
